# KiCad board sun3_60_layout2_routing2.kicad_pcb (continued)
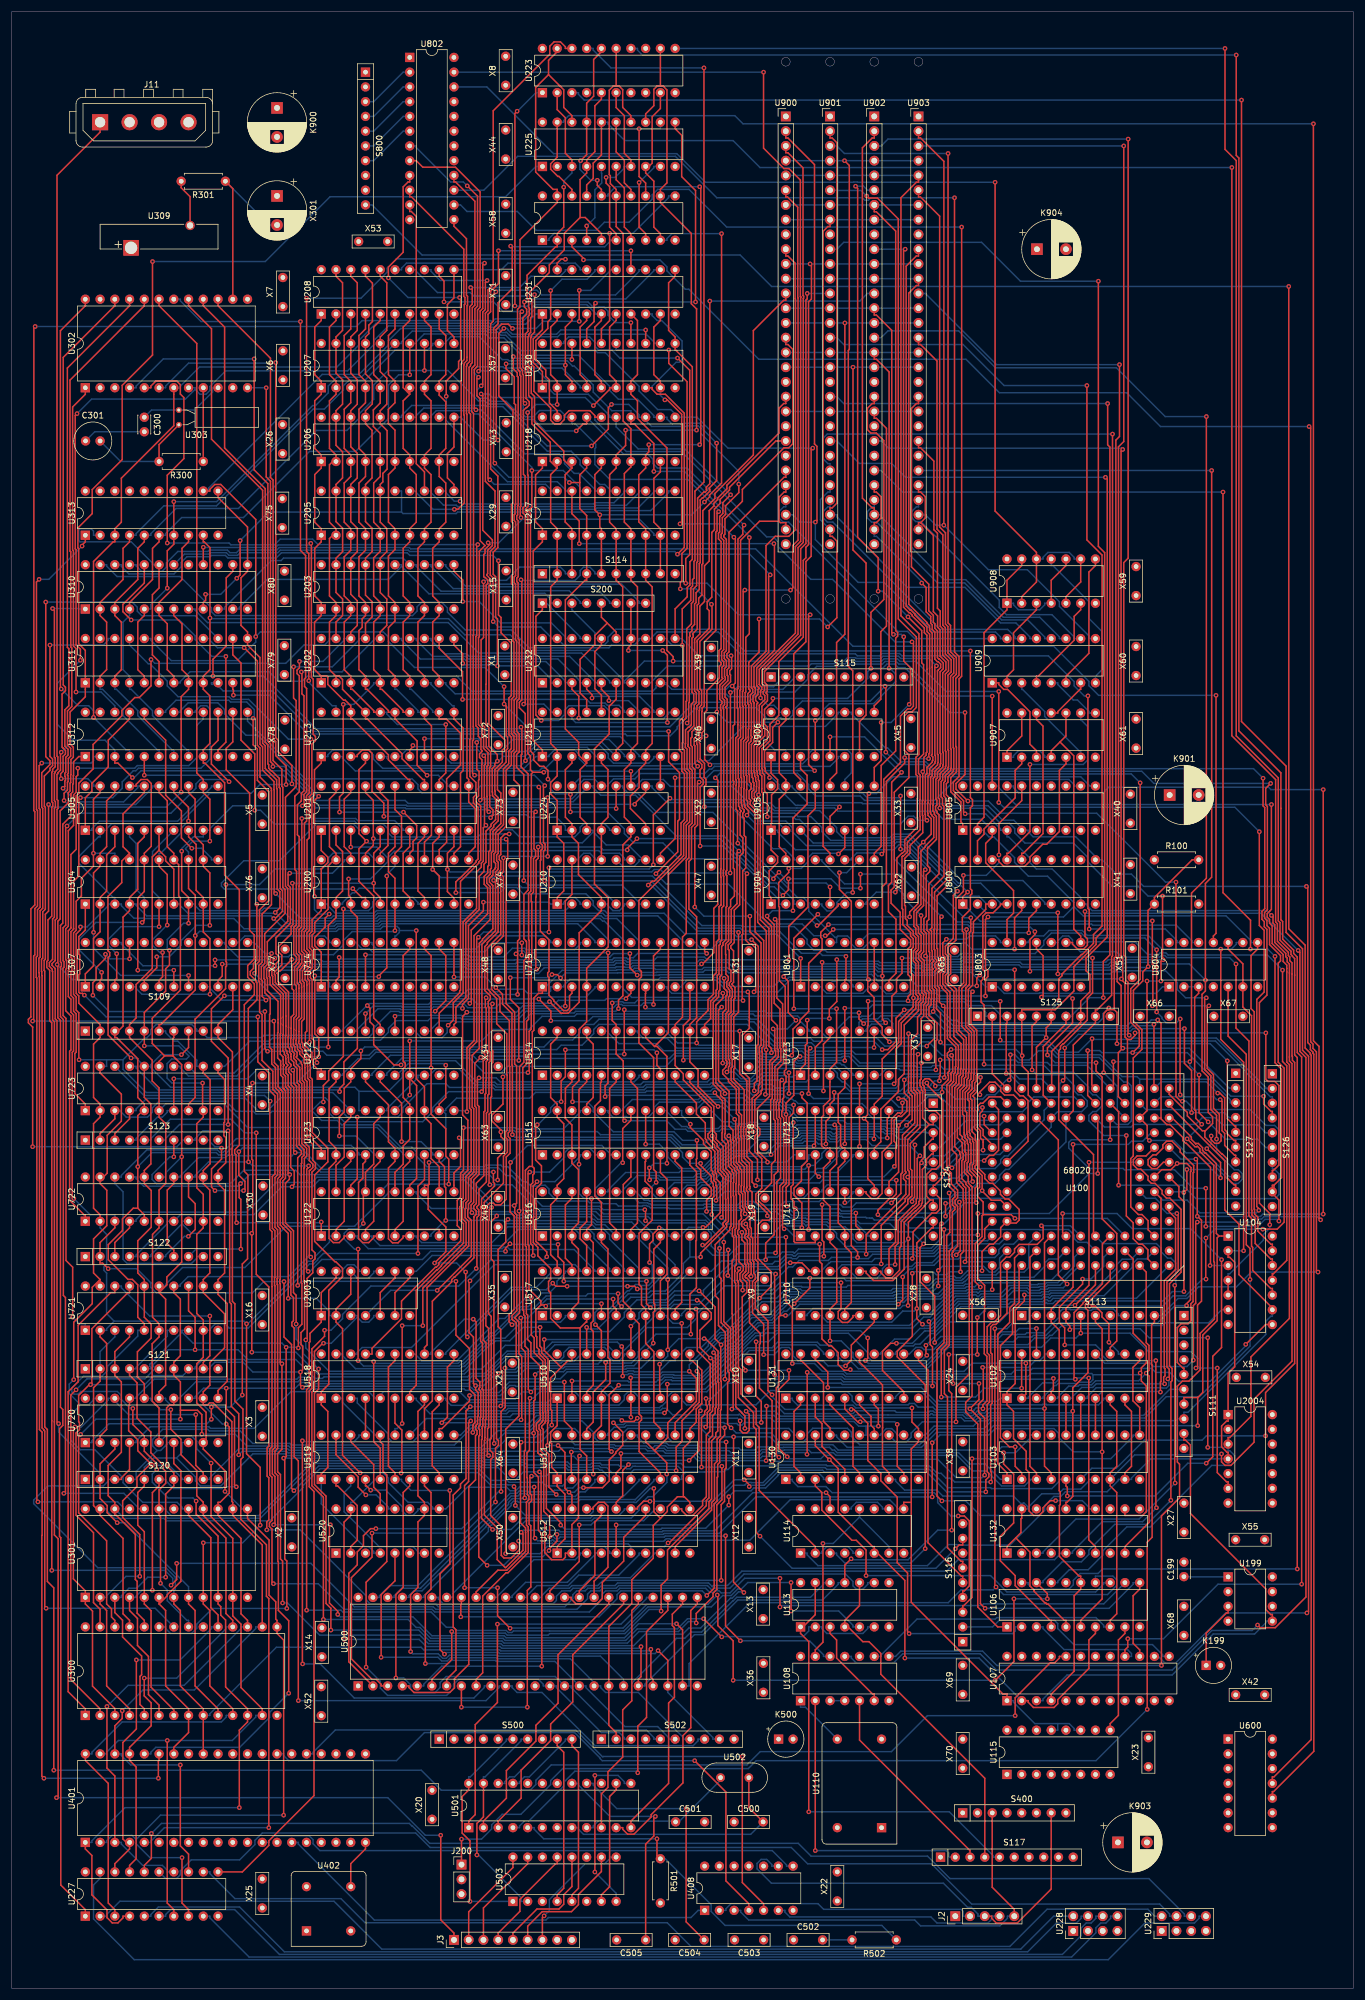
[diagram p0: board, top side]
## Routing (per net, layer and track width the routed paths; a pad name or vN(x,y) marks a point on that pad's centre or on a via; arc(x,y) is an arc through that point) (continued)
/XACK-: length 194.2
  Top w0.25: v1(78.42,168.08) 77.68,167.34 77.68,150.4 78.6,149.49 78.6,140.88 77.8,140.08 77.8,136.07 77.34,135.62 77.34,134.69 77.21,134.56 77.21,132.31 77.84,131.68 77.84,128.31 74.04,124.52 74.04,124.41 73.35,123.72 73.24,123.72 69.71,120.18 69.71,103.85 68.58,102.73 U518.7 ; v1(105.83,170.41) 105.83,170.48 106.68,171.33 U715.7 ; 148.6,101.6 148.6,100.47 149.31,99.77 v1(149.31,96.81)
  Bottom w0.25: v1(105.83,170.41) 102.48,170.41 102.19,170.13 94.18,170.13 93.22,169.17 88.07,169.17 86.98,168.08 v1(78.42,168.08) ; U518.7 69.71,101.6 69.71,101.32 72.07,98.96 85.26,98.96 85.71,99.41 89.93,99.41 90.05,99.53 111.79,99.53 112.14,99.88 112.74,99.88 113.88,98.73 125.19,98.73 125.29,98.84 125.4,98.84 126.04,98.2 130.75,98.2 131.34,97.61 145.11,97.61 145.91,96.81 147.19,96.81 ; U130.15 147.19,95.26 147.19,96.81 ; 147.19,96.81 v1(149.31,96.81)
Net-(C300-Pad2): length 10.8
  Bottom w0.25: C301.1 14.32,268.02 C300.2
Net-(C301-Pad2): length 19.4
  Top w0.25: U303.1 25.4,265.81 R300.2
  Bottom w0.25: C301.2 18.78,262.9 R300.2
Net-(C502-Pad2): length 5.1
  Bottom w0.25: R502.2 C502.2
Net-(J2-Pin_2): length 45.2
  Bottom w0.25: J2.2 163.92,12.44 163.92,13.24 163.56,13.61 139.89,13.61 138.92,14.58 123.92,14.58 123.05,13.71 123.05,13.43 U408.2
Net-(J2-Pin_3): length 76
  Top w0.25: J2.3 168.82,12.44 168.82,12.07 169.63,11.26 173.24,11.26 179.09,17.11 S400.7
  Bottom w0.25: J2.3 166.46,12.44 166.46,12.8 165.31,13.96 164.67,13.96 160.52,18.11 130.89,18.11 128.41,20.58 128.41,21.52 129.11,22.21 130.07,22.21 130.95,21.33 130.95,21.05 U408.9
Net-(J2-Pin_4): length 39.9
  Bottom w0.25: J2.4 169,12.44 169,12.07 168.19,11.26 159.41,11.26 158.36,12.3 134.05,12.3 133.21,13.15 133.21,13.43 U408.6
Net-(J2-Pin_5): length 69.8
  Top w0.25: S400.3 168.93,17.41 172.72,13.61 J2.5
  Bottom w0.25: U408.3 125.59,13.43 125.59,13.15 126.96,11.77 155.58,11.77 156.58,10.77 170.24,10.77 171.54,12.07 171.54,12.44 J2.5
Net-(U108-Pad3): length 2.5
  Bottom w0.25: U108.4 U108.3
Net-(U110-OUT): length 9.7
  Bottom w0.25: U110.8 136.74,48.41 135.91,48.41 U108.1
Net-(U199-CT): length 11.9
  Top w0.25: K199.1 205.78,61.15 209.28,64.65 209.56,64.65 U199.3
Net-(U199-REF): length 7.6
  Bottom w0.25: C199.1 201.99,70.86 U199.1
Net-(U225-Q1): length 13.8
  Top w0.25: U226.4 v1(99.06,303.46)
  Bottom w0.25: U225.5 101.6,312.57 101.65,312.52 101.65,310.85 100.47,309.68 100.47,304.87 v1(99.06,303.46)
Net-(U225-Q2): length 13.8
  Top w0.25: U225.6 104.14,311.41 105.55,309.99 105.55,303.25 106.68,302.13 U226.7
Net-(U225-Q4): length 16.8
  Top w0.25: U226.13 109.22,310.84 108.09,311.96 v1(108.09,320.19)
  Bottom w0.25: U225.12 111.76,320.19 v1(108.09,320.19)
Net-(U225-Q5): length 13.8
  Top w0.25: U226.14 106.68,309.75 105.55,310.87 105.55,314.78 104.14,316.2 U225.15
Net-(U302-OIN): length 15.2
  Bottom w0.25: C300.1 24.1,271.76 U303.2 31.5,271.76 34.62,274.88 34.62,275.6 U302.10
Net-(U302-OOUT): length 12.7
  Top w0.25: R300.1 U302.9
Net-(U302-VBAK): length 32.9
  Top w0.25: R301.1 38.1,309.89 U302.14
  Bottom w0.25: X301.2 44.37,303.62 R301.1
Net-(U309--): length 8.3
  Top w0.25: R301.2 29.21,310.03 30.75,308.5 U309.2
Net-(U401-PCLK): length 8.7
  Top w0.25: U402.5 58.42,21.47 60.96,24.01 U401.20
Net-(U401-RXDA): length 94.8
  Bottom w0.25: U401.13 44.31,25.13 44.31,25.42 45.16,26.27 51.27,26.27 51.93,25.61 51.93,24.91 53.11,23.73 131.02,23.73 133.49,21.25 133.49,21.05 U408.8
Net-(U401-RXDB): length 106.3
  Top w0.25: U408.4 127,14.56 123.05,18.51 123.05,33.82 v1(117.66,39.2)
  Bottom w0.25: U401.27 46.85,40.38 46.85,40.09 47.72,39.22 66.3,39.22 71.12,44.04 96.99,44.04 101.38,39.65 101.38,39.57 101.75,39.2 v1(117.66,39.2)
Net-(U401-TXDA): length 77.5
  Bottom w0.25: U401.15 49.39,25.13 49.39,24.85 62.48,11.76 92.03,11.76 92.47,12.2 117.02,12.2 118.25,13.43 U408.1
Net-(U401-TXDB): length 106.9
  Top w0.25: U408.5 129.54,14.56 125.87,18.22 v1(125.87,39.93)
  Bottom w0.25: U401.25 51.93,40.38 51.93,40.66 55.76,44.49 97.17,44.49 101.78,39.89 101.88,39.89 101.92,39.93 v1(125.87,39.93)
Net-(U501-PF): length 38.9
  Top w0.25: v1(110.9,29.61) 110.63,29.35 110.63,26.24 109.22,24.83 C505.1
  Bottom w0.25: U501.17 97.65,35.3 97.65,35.01 103.05,29.61 v1(110.9,29.61)
Net-(U501-RF): length 43
  Top w0.25: C504.1 116.2,11.45 v1(116.2,30.96)
  Bottom w0.25: U501.16 100.19,35.3 100.19,35.01 104.24,30.96 v1(116.2,30.96)
Net-(U501-TSEL): length 74
  Top w0.25: R501.1 111.17,22.91 v1(111.17,25.75)
  Bottom w0.25: U501.5 90.03,27.68 90.03,27.39 91.67,25.75 v1(111.17,25.75) ; R501.1 112.6,22.32 120.51,14.41 120.51,13.24 122.91,10.84 149.91,10.84 R502.1
Net-(U501-X1): length 43.1
  Top w0.25: C500.2 127,31.13 U502.2
  Bottom w0.25: C500.2 127.31,26.52 98.52,26.52 97.65,27.39 97.65,27.68 U501.8
Net-(U501-X2): length 27.2
  Bottom w0.25: U501.9 100.19,27.68 100.19,27.96 101.03,28.8 114.25,28.8 C501.1 114.94,28.67 122.12,35.85 U502.1
Net-(U803-D1): length 249.5
  Top w0.25: U803.9 182.75,180.08 182.75,179.79 183.6,178.95 184.65,178.95 185.32,179.61 185.32,180.72 184.9,181.14 v1(184.9,185.42) ; v1(214.63,62.56) 215.08,62.11 217.68,62.11 222.96,67.39 222.96,160.3 221.92,161.34 221.92,178.41 v1(221.63,178.71)
  Bottom w0.25: v1(214.63,62.56) 213.7,61.63 206.75,61.63 199.94,54.82 169.65,54.82 166.85,57.62 153.51,57.62 151.89,55.99 145.54,55.99 144.65,56.88 144.65,57.16 U108.11 ; v1(221.63,178.71) 215.22,185.11 185.2,185.11 v1(184.9,185.42)

## Copper pours and planes (outline as drawn; the poured copper is in the pictures)
GND on In1.Cu: 0,340.36 231.14,340.36 231.14,0 0,0
VCC on In2.Cu: 0,340.36 231.14,340.36 231.14,0 0,0
